# Altium PCB HACK_LINK_V1_new_power.PcbDoc (part 3 of 6) (continued)
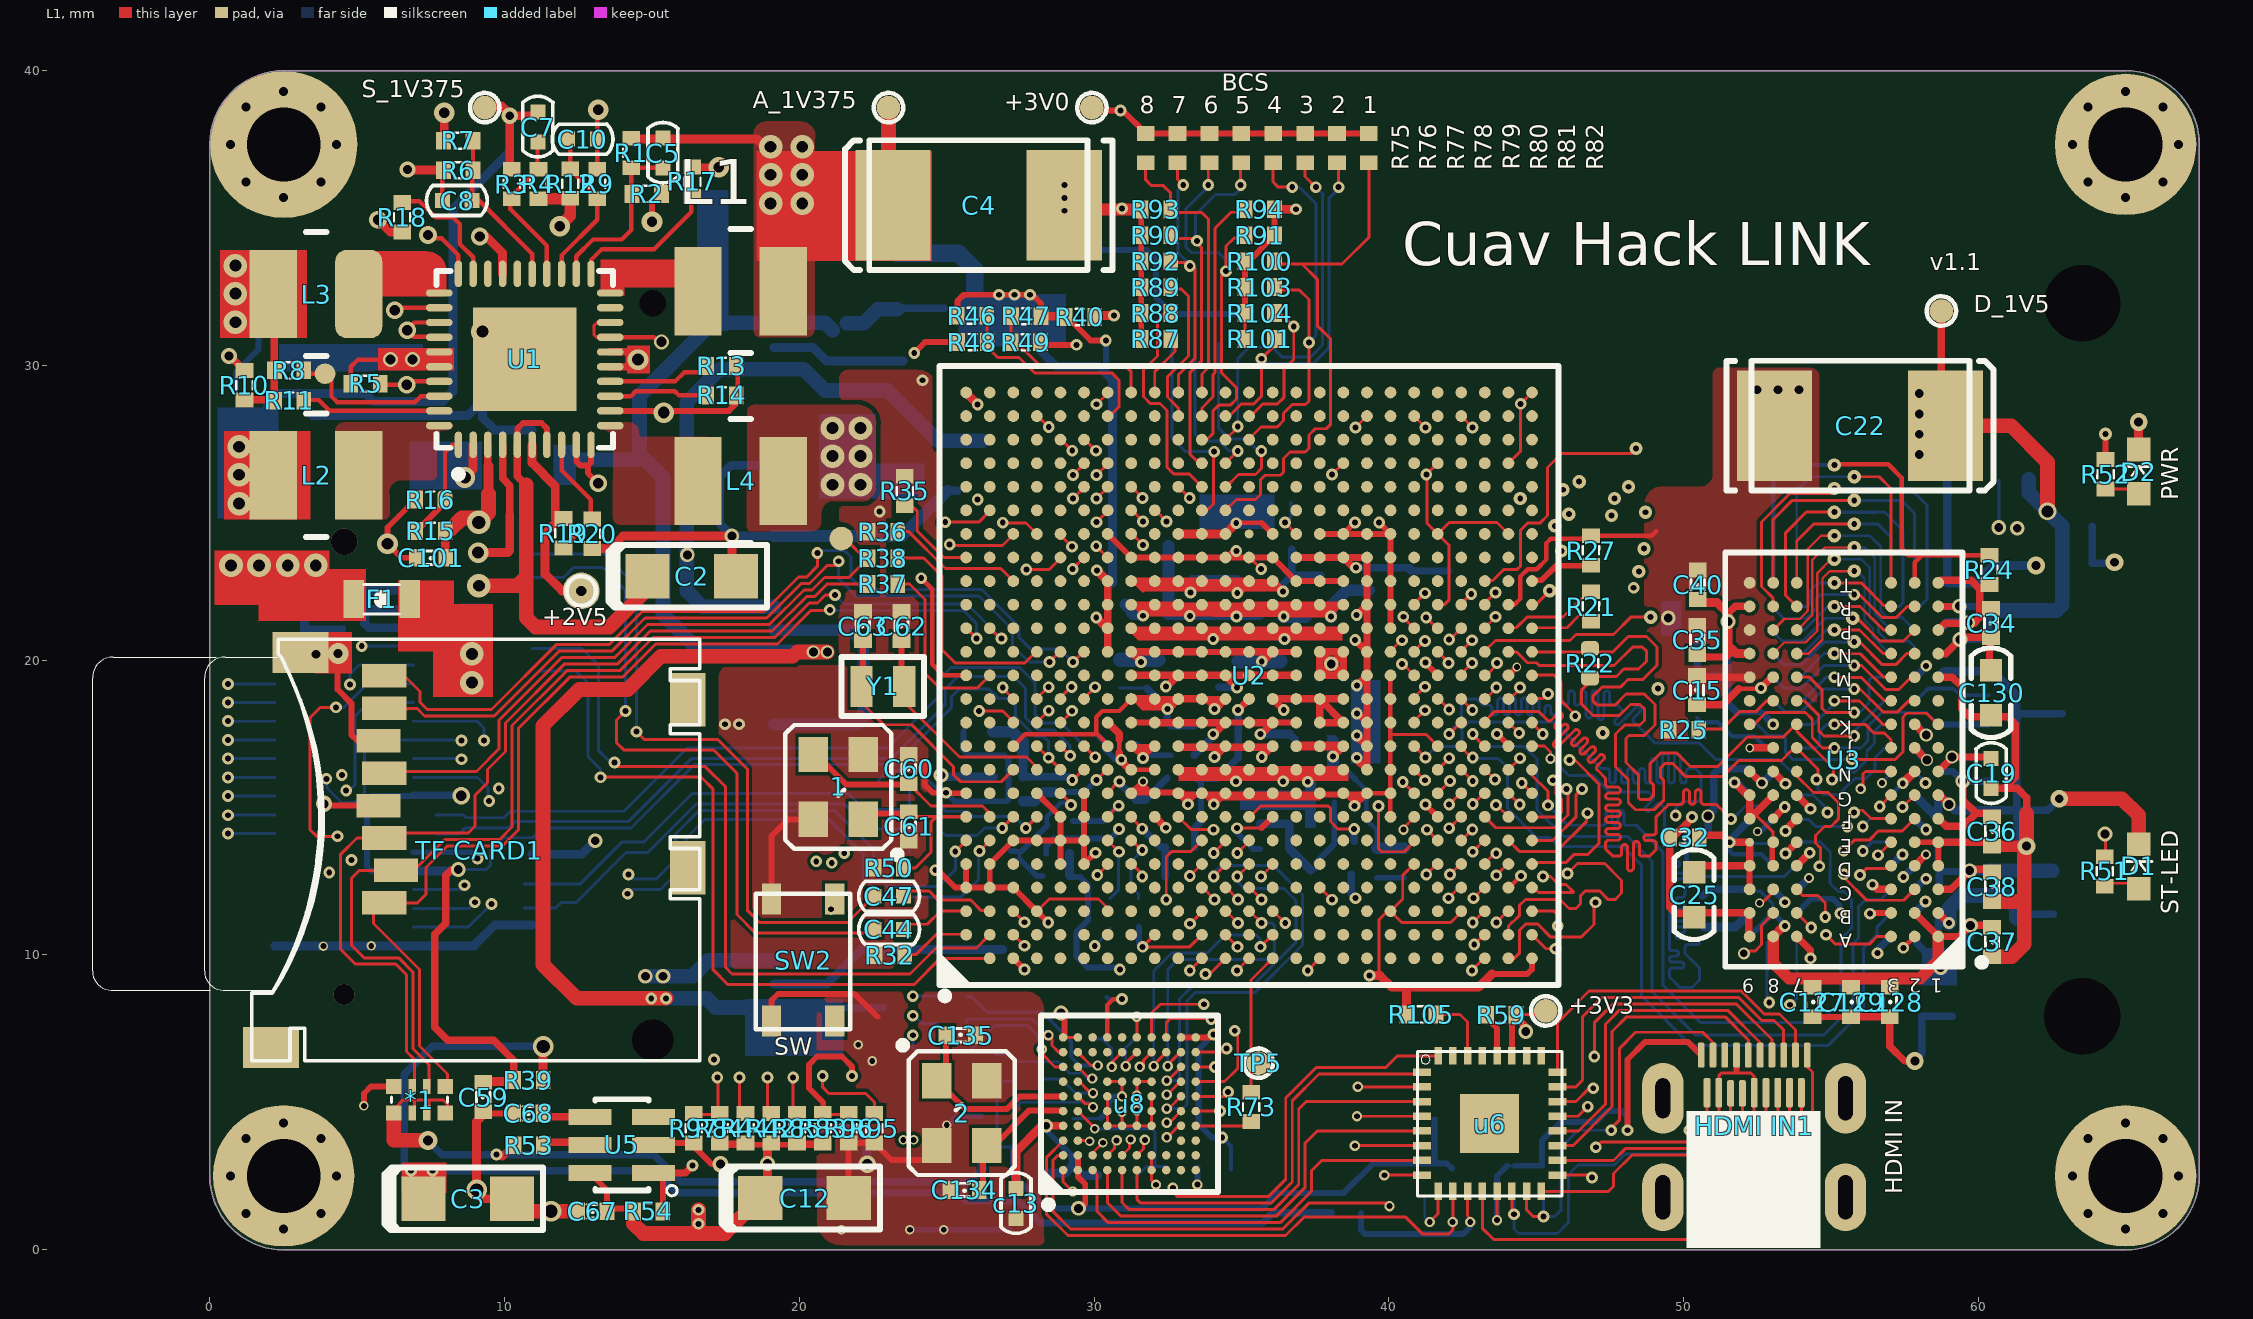
[diagram p0: L1 view]
## Nets (pads, with @x,y where several pads share a name; then routed paths per layer and width w, separated by ;. In a path a pad name is that pad's centre, name@x,y a point inside that pad or via, vN(x,y) a via of type N, cw(c..) or ccw(c..) an arc to the next point about the centre after c; other vN are vias at no path point) (continued)
  L6 w0.1: U4.R2@53.044,21.824 53.044,21.774 53.394,21.424 54.176,21.424 54.519,21.767 54.519,22.099 54.644,22.224 v1@55.744,22.224
DRAM_A8: U2.AB13 U3.T8 U4.T8 | length 37.1
  L1 w0.1: U2.AB13@42.45,19.5 U2.AB13@42.5,19.5 ; U2.AB13@42.475,19.55 v1@42.775,19.85 ; U3.T8@53.044,22.624 53.044,24.774 53.694,25.424 v3@55.744,25.424
  L2 w0.1: v1(42.825,19.9) 43.076,19.9 43.526,20.35 46.201,20.35 46.535,20.684 46.535,25.984 v3(46.46,26.059)
  L3 w0.1: v3(46.46,26.059) 47.06,26.059 47.31,26.309 48.66,26.309 ccw(c48.66,26.486) 48.837,26.486 48.837,26.622 cw(c49.014,26.622) 49.014,26.799 cw(c49.014,26.622) 49.191,26.622 49.191,25.996 ccw(c49.368,25.996) 49.368,25.819 ccw(c49.368,25.996) 49.545,25.996 49.545,26.622 cw(c49.722,26.622) 49.722,26.799 cw(c49.722,26.622) 49.899,26.622 49.899,25.996 ccw(c50.076,25.996) 50.076,25.819 ccw(c50.076,25.996) 50.253,25.996 50.253,26.132 cw(c50.43,26.132) 50.43,26.309 50.56,26.309 50.81,26.059 cw(c50.685,25.934) 50.81,25.808 50.714,25.712 ccw(c50.839,25.587) 50.714,25.462 ccw(c50.839,25.587) 50.964,25.462 51.061,25.558 cw(c51.186,25.433) 51.311,25.558 51.445,25.424 51.799,25.424 ccw(c51.799,25.601) 51.976,25.601 51.976,25.737 cw(c52.153,25.737) 52.153,25.914 cw(c52.153,25.737) 52.33,25.737 52.33,25.111 ccw(c52.507,25.111) 52.507,24.934 ccw(c52.507,25.111) 52.684,25.111 52.684,25.737 cw(c52.861,25.737) 52.861,25.914 cw(c52.861,25.737) 53.038,25.737 53.038,25.601 ccw(c53.215,25.601) 53.215,25.424 53.525,25.424 ccw(c53.525,25.601) 53.702,25.601 53.702,25.742 cw(c53.879,25.742) 53.879,25.919 cw(c53.879,25.742) 54.056,25.742 54.056,25.106 ccw(c54.233,25.106) 54.233,24.929 ccw(c54.233,25.106) 54.41,25.106 54.41,25.284 cw(c54.55,25.284) 54.55,25.424 v3(55.794,25.424)
  L6 w0.1: v3(55.794,25.424) 57.394,25.424 57.844,24.974 U4.T8@57.844,22.624
DRAM_A9: U2.AE12 U3.R3 U4.R3 | length 35.2
  L1 w0.1: U2.AE12@44.85,18.7 45.25,18.7 v1(45.4,18.85) ; v3@55.144,22.624 56.032,22.624 56.807,21.849 57.019,21.849 U3.R3@57.044,21.824
  L2 w0.1: v1(45.4,18.85) 46.701,18.85 47.895,20.044 47.895,23.019 v3(48.66,23.784)
  L3 w0.1: v3(48.66,23.784) 48.935,23.784 ccw(c48.935,23.884) 49.035,23.884 49.035,24.165 cw(c49.135,24.165) 49.135,24.265 cw(c49.135,24.165) 49.235,24.165 49.235,23.403 ccw(c49.335,23.403) 49.335,23.303 ccw(c49.335,23.403) 49.435,23.403 49.435,24.165 cw(c49.535,24.165) 49.535,24.265 cw(c49.535,24.165) 49.635,24.165 49.635,23.403 ccw(c49.735,23.403) 49.735,23.303 ccw(c49.735,23.403) 49.835,23.403 49.835,24.165 cw(c49.935,24.165) 49.935,24.265 cw(c49.935,24.165) 50.035,24.165 50.035,23.403 ccw(c50.135,23.403) 50.135,23.303 ccw(c50.135,23.403) 50.235,23.403 50.235,24.165 cw(c50.335,24.165) 50.335,24.265 cw(c50.335,24.165) 50.435,24.165 50.435,23.403 ccw(c50.535,23.403) 50.535,23.303 ccw(c50.535,23.403) 50.635,23.403 50.635,24.165 cw(c50.735,24.165) 50.735,24.265 cw(c50.735,24.165) 50.835,24.165 50.835,23.403 ccw(c50.935,23.403) 50.935,23.303 ccw(c50.935,23.403) 51.035,23.403 51.035,24.165 cw(c51.135,24.165) 51.135,24.265 cw(c51.135,24.165) 51.235,24.165 51.235,23.403 ccw(c51.335,23.403) 51.335,23.303 ccw(c51.335,23.403) 51.435,23.403 51.435,24.165 cw(c51.535,24.165) 51.535,24.265 cw(c51.535,24.165) 51.635,24.165 51.635,23.403 ccw(c51.735,23.403) 51.735,23.303 ccw(c51.735,23.403) 51.835,23.403 51.835,24.165 cw(c51.935,24.165) 51.935,24.265 cw(c51.935,24.165) 52.035,24.165 52.035,23.403 ccw(c52.135,23.403) 52.135,23.303 ccw(c52.135,23.403) 52.235,23.403 52.235,23.684 cw(c52.335,23.684) 52.335,23.784 53.085,23.784 ccw(c53.085,23.884) 53.185,23.884 53.185,24.184 cw(c53.285,24.184) 53.285,24.284 cw(c53.285,24.184) 53.385,24.184 53.385,23.884 ccw(c53.485,23.884) 53.485,23.784 53.785,23.784 53.926,23.643 ccw(c53.997,23.713) 54.068,23.643 54.28,23.855 cw(c54.351,23.784) 54.421,23.855 cw(c54.351,23.784) 54.421,23.713 53.856,23.148 ccw(c53.926,23.077) 53.856,23.006 ccw(c53.926,23.077) 53.997,23.006 54.209,23.218 cw(c54.28,23.148) 54.351,23.218 54.945,22.624 v3(55.119,22.624)
  L6 w0.1: U4.R3@53.844,21.824 54.219,21.824 54.294,21.899 54.294,22.349 54.569,22.624 v3(55.119,22.624)
DRAM_A10: U2.AA15 U3.L7 U4.L7 | length 37.6
  L1 w0.1: v1@41.344,21.374 U2.AA15@41.644,21.074 ; U3.L7@53.844,18.624 54.094,18.624 54.589,18.129 54.589,17.604 54.769,17.424 v1@55.744,17.424
  L3 w0.1: v1(41.269,21.449) 41.655,21.063 41.655,19.639 41.835,19.459 43.01,19.459 43.235,19.684 43.235,20.134 43.485,20.384 44.05,20.384 44.15,20.384 44.35,20.384 44.35,20.129 44.55,20.129 44.55,20.384 44.75,20.384 44.75,19.307 44.95,19.307 44.95,20.384 45.15,20.384 45.15,19.232 45.35,19.232 45.35,20.384 45.55,20.384 45.55,19.204 45.75,19.204 45.75,20.384 45.95,20.384 45.95,19.216 46.15,19.216 46.15,20.384 46.35,20.384 46.55,20.384 46.688,20.384 46.758,20.313 46.9,20.172 47.041,20.03 47.15,19.922 47.15,19.822 47.15,19.622 46.386,19.622 46.386,19.422 47.15,19.422 47.15,19.222 46.386,19.222 46.386,19.022 47.15,19.022 47.15,18.822 46.749,18.822 46.749,18.622 47.15,18.622 47.15,18.244 47.66,17.734 49.102,17.734 49.412,17.424 v1(55.794,17.424)
  L6 w0.1: v1@55.744,17.424 55.744,17.549 56.819,18.624 U4.L7@57.044,18.624
DRAM_A11: U2.AC12 U3.R7 U4.R7 | length 36.1
  L1 w0.1: U2.AC12@43.25,18.7 43.3,18.7 v1@43.7,19.1 ; U3.R7@53.844,21.824 53.469,22.199 53.469,24.324 54.169,25.024 v3(55.119,25.024)
  L2 w0.1: v1@43.71,19.075 v1(43.65,19.075) 44.025,19.45 46.512,19.45 47.105,20.043 47.105,20.309 cw(c47.205,20.309) 47.205,20.409 47.355,20.409 ccw(c47.355,20.509) 47.455,20.509 ccw(c47.355,20.509) 47.355,20.609 47.205,20.609 cw(c47.205,20.709) 47.105,20.709 cw(c47.205,20.709) 47.205,20.809 47.355,20.809 ccw(c47.355,20.909) 47.455,20.909 ccw(c47.355,20.909) 47.355,21.009 47.205,21.009 cw(c47.205,21.109) 47.105,21.109 cw(c47.205,21.109) 47.205,21.209 47.355,21.209 ccw(c47.355,21.309) 47.455,21.309 ccw(c47.355,21.309) 47.355,21.409 47.205,21.409 cw(c47.205,21.509) 47.105,21.509 cw(c47.205,21.509) 47.205,21.609 47.355,21.609 ccw(c47.355,21.709) 47.455,21.709 ccw(c47.355,21.709) 47.355,21.809 47.205,21.809 cw(c47.205,21.909) 47.105,21.909 cw(c47.205,21.909) 47.205,22.009 47.355,22.009 ccw(c47.355,22.109) 47.455,22.109 ccw(c47.355,22.109) 47.355,22.209 47.205,22.209 cw(c47.205,22.309) 47.105,22.309 cw(c47.205,22.309) 47.205,22.409 47.355,22.409 ccw(c47.355,22.509) 47.455,22.509 ccw(c47.355,22.509) 47.355,22.609 47.205,22.609 cw(c47.205,22.709) 47.105,22.709 cw(c47.205,22.709) 47.205,22.809 47.355,22.809 ccw(c47.355,22.909) 47.455,22.909 ccw(c47.355,22.909) 47.355,23.009 47.205,23.009 cw(c47.205,23.109) 47.105,23.109 cw(c47.205,23.109) 47.205,23.209 47.355,23.209 ccw(c47.355,23.309) 47.455,23.309 ccw(c47.355,23.309) 47.355,23.409 47.205,23.409 cw(c47.205,23.509) 47.105,23.509 cw(c47.205,23.509) 47.205,23.609 47.355,23.609 ccw(c47.355,23.709) 47.455,23.709 ccw(c47.355,23.709) 47.355,23.809 47.205,23.809 cw(c47.205,23.909) 47.105,23.909 cw(c47.205,23.909) 47.205,24.009 47.458,24.009 ccw(c47.458,24.109) 47.558,24.109 ccw(c47.458,24.109) 47.458,24.209 47.205,24.209 cw(c47.205,24.309) 47.105,24.309 cw(c47.205,24.309) 47.205,24.409 47.268,24.409 ccw(c47.268,24.509) 47.368,24.509 ccw(c47.268,24.509) 47.268,24.609 47.205,24.609 cw(c47.205,24.709) 47.105,24.709 47.105,25.504 47.925,26.324 53.47,26.324 54.77,25.024 v3(55.119,25.024)
  L6 w0.1: v3@55.144,25.024 56.819,25.024 57.444,24.399 57.444,21.949 57.319,21.824 U4.R7@57.044,21.824 ; 55.355,25.019 56.51,25.019 ; U4.R7@56.994,21.874 U4.R7@57.044,21.824 ; U4.R7@56.995,21.824 U4.R7@57.044,21.824
DRAM_A12: U2.AD12 U3.N7 U4.N7 | length 35.4
  L1 w0.08: U3.N7@53.844,20.224 54.244,20.224 54.719,20.699 54.719,22.783 54.96,23.024 v3@55.744,23.024
  L1 w0.1: U2.AD12@44.05,18.7 44.125,18.7 v1@44.45,19.025
  L2 w0.1: v1@44.45,19.13 v1(44.45,19.075) 44.925,19.075 45.07,19.22 46.721,19.22 47.675,20.174 47.675,23.874 48.235,24.434 48.735,24.434 48.735,24.54 cw(c48.835,24.54) 48.835,24.64 cw(c48.835,24.54) 48.935,24.54 48.935,24.254 ccw(c49.035,24.254) 49.035,24.154 ccw(c49.035,24.254) 49.135,24.254 49.135,24.699 cw(c49.235,24.699) 49.235,24.799 cw(c49.235,24.699) 49.335,24.699 49.335,24.254 ccw(c49.435,24.254) 49.435,24.154 ccw(c49.435,24.254) 49.535,24.254 49.535,24.699 cw(c49.635,24.699) 49.635,24.799 cw(c49.635,24.699) 49.735,24.699 49.735,24.254 ccw(c49.835,24.254) 49.835,24.154 ccw(c49.835,24.254) 49.935,24.254 49.935,24.699 cw(c50.035,24.699) 50.035,24.799 cw(c50.035,24.699) 50.135,24.699 50.135,24.254 ccw(c50.235,24.254) 50.235,24.154 ccw(c50.235,24.254) 50.335,24.254 50.335,24.699 cw(c50.435,24.699) 50.435,24.799 cw(c50.435,24.699) 50.535,24.699 50.535,24.254 ccw(c50.635,24.254) 50.635,24.154 ccw(c50.635,24.254) 50.735,24.254 50.735,24.699 cw(c50.835,24.699) 50.835,24.799 cw(c50.835,24.699) 50.935,24.699 50.935,24.254 ccw(c51.035,24.254) 51.035,24.154 ccw(c51.035,24.254) 51.135,24.254 51.135,24.699 cw(c51.235,24.699) 51.235,24.799 cw(c51.235,24.699) 51.335,24.699 51.335,24.254 ccw(c51.435,24.254) 51.435,24.154 ccw(c51.435,24.254) 51.535,24.254 51.535,24.699 cw(c51.635,24.699) 51.635,24.799 cw(c51.635,24.699) 51.735,24.699 51.735,24.254 ccw(c51.835,24.254) 51.835,24.154 ccw(c51.835,24.254) 51.935,24.254 51.935,24.699 cw(c52.035,24.699) 52.035,24.799 cw(c52.035,24.699) 52.135,24.699 52.135,24.254 ccw(c52.235,24.254) 52.235,24.154 ccw(c52.235,24.254) 52.335,24.254 52.335,24.699 cw(c52.435,24.699) 52.435,24.799 cw(c52.435,24.699) 52.535,24.699 52.535,24.254 ccw(c52.635,24.254) 52.635,24.154 ccw(c52.635,24.254) 52.735,24.254 52.735,24.334 cw(c52.835,24.334) 52.835,24.434 53.385,24.434 54.795,23.024 v3(55.794,23.024)
  L6 w0.08: v3(55.794,23.024) 55.894,23.024 56.144,22.774 56.144,21.366 56.419,21.091 56.419,20.799 U4.N7@56.994,20.224
  L6 w0.1: U4.N7@56.994,20.224 U4.N7@57.044,20.224
DRAM_A13: U2.AC17 U3.T3 U4.T3 | length 35.9
  L1 w0.1: U2.AC17@43.25,22.7 43.527,22.7 43.897,23.07 44.345,23.07 44.475,23.2 44.475,24.416 44.709,24.65 45.125,24.65 45.385,24.91 45.385,26.534 45.86,27.009 v3@48.26,27.009 ; v3(55.794,26.224) 56.644,26.224 57.044,25.824 U3.T3@57.044,22.624
  L2 w0.1: v3@48.385,27.134 48.66,27.409 48.86,27.409 cw(c48.86,27.309) 48.96,27.309 48.96,27.112 ccw(c49.06,27.112) 49.06,27.012 ccw(c49.06,27.112) 49.16,27.112 49.16,27.557 cw(c49.26,27.557) 49.26,27.657 cw(c49.26,27.557) 49.36,27.557 49.36,27.112 ccw(c49.46,27.112) 49.46,27.012 ccw(c49.46,27.112) 49.56,27.112 49.56,27.557 cw(c49.66,27.557) 49.66,27.657 cw(c49.66,27.557) 49.76,27.557 49.76,27.112 ccw(c49.86,27.112) 49.86,27.012 ccw(c49.86,27.112) 49.96,27.112 49.96,27.557 cw(c50.06,27.557) 50.06,27.657 cw(c50.06,27.557) 50.16,27.557 50.16,27.112 ccw(c50.26,27.112) 50.26,27.012 ccw(c50.26,27.112) 50.36,27.112 50.36,27.557 cw(c50.46,27.557) 50.46,27.657 cw(c50.46,27.557) 50.56,27.557 50.56,27.112 ccw(c50.66,27.112) 50.66,27.012 ccw(c50.66,27.112) 50.76,27.112 50.76,27.557 cw(c50.86,27.557) 50.86,27.657 cw(c50.86,27.557) 50.96,27.557 50.96,27.112 ccw(c51.06,27.112) 51.06,27.012 ccw(c51.06,27.112) 51.16,27.112 51.16,27.557 cw(c51.26,27.557) 51.26,27.657 cw(c51.26,27.557) 51.36,27.557 51.36,27.112 ccw(c51.46,27.112) 51.46,27.012 ccw(c51.46,27.112) 51.56,27.112 51.56,27.557 cw(c51.66,27.557) 51.66,27.657 cw(c51.66,27.557) 51.76,27.557 51.76,27.112 ccw(c51.86,27.112) 51.86,27.012 ccw(c51.86,27.112) 51.96,27.112 51.96,27.557 cw(c52.06,27.557) 52.06,27.657 cw(c52.06,27.557) 52.16,27.557 52.16,27.112 ccw(c52.26,27.112) 52.26,27.012 ccw(c52.26,27.112) 52.36,27.112 52.36,27.309 cw(c52.46,27.309) 52.46,27.409 53.485,27.409 54.67,26.224 v3(55.794,26.224)
  L6 w0.1: U4.T3@53.844,22.624 53.844,25.749 54.319,26.224 v3@55.744,26.224
  other v3: 48.385,27.184
DRAM_A14: U2.AA12 U3.T7 U4.T7 | length 32.9
  L1 w0.1: U2.AA12@41.7,18.675 v1@42,18.375 ; U3.T7@53.844,22.624 53.844,24.049 54.419,24.624 v3@55.744,24.624
  L2 w0.1: v1@42.12,18.255 v1(42.05,18.325) 41.655,17.93 40.264,17.93 39.825,18.369 39.825,23.604 41.685,25.464 43.501,25.464 44.146,26.109 45.585,26.109 v3(45.91,25.784) ; v3(48.135,25.884) 48.355,26.104 53.379,26.104 54.854,24.629 55.789,24.629 v3(55.794,24.624)
  L3 w0.1: v3(45.91,25.784) 46.03,25.664 46.976,25.664 47.196,25.884 v3(48.135,25.884)
  L6 w0.1: v3(55.794,24.624) 56.594,24.624 57.044,24.174 U4.T7@57.044,22.624
DRAM_A15: U2.Y12 U3.M7 U4.M7 | length 36.9
  L1 w0.1: U2.Y12@40.875,18.75 v1@41.175,19.05 ; U3.M7@53.844,19.424 54.269,19.424 54.694,18.999 54.694,18.374 54.844,18.224 v1@55.744,18.224
  L2 w0.1: v1@41.225,19.025 v1(41.225,19.1) v1@41.35,19.1 ; v3@47.285,17.434 47.637,17.434 48.173,17.97 48.82,17.97 49.149,18.299 49.349,18.299 cw(c49.349,18.199) 49.449,18.199 49.449,18.071 ccw(c49.549,18.071) 49.549,17.971 ccw(c49.549,18.071) 49.649,18.071 49.649,18.698 cw(c49.749,18.698) 49.749,18.798 cw(c49.749,18.698) 49.849,18.698 49.849,18.071 ccw(c49.949,18.071) 49.949,17.971 ccw(c49.949,18.071) 50.049,18.071 50.049,18.698 cw(c50.149,18.698) 50.149,18.798 cw(c50.149,18.698) 50.249,18.698 50.249,18.071 ccw(c50.349,18.071) 50.349,17.971 ccw(c50.349,18.071) 50.449,18.071 50.449,18.698 cw(c50.549,18.698) 50.549,18.798 cw(c50.549,18.698) 50.649,18.698 50.649,18.071 ccw(c50.749,18.071) 50.749,17.971 ccw(c50.749,18.071) 50.849,18.071 50.849,18.698 cw(c50.949,18.698) 50.949,18.798 cw(c50.949,18.698) 51.049,18.698 51.049,18.071 ccw(c51.149,18.071) 51.149,17.971 ccw(c51.149,18.071) 51.249,18.071 51.249,18.698 cw(c51.349,18.698) 51.349,18.798 cw(c51.349,18.698) 51.449,18.698 51.449,18.071 ccw(c51.549,18.071) 51.549,17.971 ccw(c51.549,18.071) 51.649,18.071 51.649,18.698 cw(c51.749,18.698) 51.749,18.798 cw(c51.749,18.698) 51.849,18.698 51.849,18.071 ccw(c51.949,18.071) 51.949,17.971 ccw(c51.949,18.071) 52.049,18.071 52.049,18.698 cw(c52.149,18.698) 52.149,18.798 cw(c52.149,18.698) 52.249,18.698 52.249,18.121 ccw(c52.349,18.121) 52.349,18.021 ccw(c52.349,18.121) 52.449,18.121 52.449,18.199 cw(c52.549,18.199) 52.549,18.299 52.675,18.299 53.41,19.034 ccw(c53.41,19.134) 53.51,19.134 53.51,19.138 cw(c53.61,19.138) 53.61,19.238 cw(c53.61,19.138) 53.71,19.138 53.71,18.635 ccw(c53.81,18.635) 53.81,18.535 ccw(c53.81,18.635) 53.91,18.635 53.91,19.138 cw(c54.01,19.138) 54.01,19.238 cw(c54.01,19.138) 54.11,19.138 54.11,19.134 ccw(c54.21,19.134) 54.21,19.034 55.232,19.034 55.514,18.752 55.514,18.745 55.794,18.465 v1(55.794,18.224)
  L3 w0.1: v1(41.225,19.1) 42.962,19.1 43.582,18.48 43.85,18.48 ccw(c43.85,18.58) 43.95,18.58 43.95,18.828 cw(c44.05,18.828) 44.05,18.928 cw(c44.05,18.828) 44.15,18.828 44.15,18.58 ccw(c44.25,18.58) 44.25,18.48 ccw(c44.25,18.58) 44.35,18.58 44.35,18.605 cw(c44.45,18.605) 44.45,18.705 cw(c44.45,18.605) 44.55,18.605 44.55,18.58 ccw(c44.65,18.58) 44.65,18.48 ccw(c44.65,18.58) 44.75,18.58 44.75,18.828 cw(c44.85,18.828) 44.85,18.928 cw(c44.85,18.828) 44.95,18.828 44.95,18.58 ccw(c45.05,18.58) 45.05,18.48 45.85,18.48 ccw(c45.85,18.58) 45.95,18.58 45.95,18.88 cw(c46.05,18.88) 46.05,18.98 cw(c46.05,18.88) 46.15,18.88 46.15,18.58 ccw(c46.25,18.58) 46.25,18.48 46.564,18.48 47.06,17.984 47.06,17.734 v3(47.26,17.534)
  L6 w0.1: v1(55.794,18.224) 55.969,18.224 56.294,18.549 56.294,19.324 56.394,19.424 U4.M7@57.044,19.424
DRAM_CAS_B: U2.AE16 U3.K3 U4.K3 | length 32.3
  L1 w0.1: U2.AE16@44.85,21.9 45.001,21.9 v3(45.46,22.359) ; v1@55.144,18.624 55.149,18.619 55.974,18.619 56.769,17.824 U3.K3@57.044,17.824
  L3 w0.1: v3(45.46,22.359) 45.385,22.434 44.96,22.434 44.76,22.234 44.335,22.234 44.235,22.134 44.235,22.034 44.31,21.959 44.635,21.959 44.735,21.859 44.735,21.584 44.89,21.429 45.06,21.429 45.16,21.529 45.16,21.909 45.235,21.984 45.435,21.984 45.435,21.484 45.49,21.429 45.78,21.429 45.835,21.484 45.835,21.984 46.035,21.984 cw(c46.035,21.884) 46.135,21.884 46.135,21.584 ccw(c46.235,21.584) 46.235,21.484 ccw(c46.235,21.584) 46.335,21.584 46.335,22.207 cw(c46.435,22.207) 46.435,22.307 cw(c46.435,22.207) 46.535,22.207 46.535,22.084 ccw(c46.635,22.084) 46.635,21.984 46.799,21.984 46.94,21.843 cw(c46.87,21.772) 46.94,21.701 46.838,21.599 ccw(c46.909,21.528) 46.838,21.457 ccw(c46.909,21.528) 46.979,21.457 47.082,21.56 cw(c47.152,21.489) 47.223,21.56 cw(c47.152,21.489) 47.223,21.418 47.176,21.371 ccw(c47.246,21.3) 47.176,21.229 ccw(c47.246,21.3) 47.317,21.229 47.365,21.277 cw(c47.435,21.206) 47.506,21.277 cw(c47.435,21.206) 47.506,21.135 47.459,21.088 ccw(c47.529,21.017) 47.459,20.947 ccw(c47.529,21.017) 47.6,20.947 47.647,20.994 cw(c47.718,20.923) 47.789,20.994 cw(c47.718,20.923) 47.789,20.853 47.741,20.805 ccw(c47.812,20.734) 47.741,20.664 ccw(c47.812,20.734) 47.883,20.664 47.93,20.711 cw(c48.001,20.641) 48.072,20.711 cw(c48.001,20.641) 48.072,20.57 48.024,20.522 ccw(c48.095,20.452) 48.024,20.381 ccw(c48.095,20.452) 48.166,20.381 48.213,20.428 cw(c48.284,20.358) 48.355,20.428 cw(c48.284,20.358) 48.355,20.287 48.307,20.239 ccw(c48.378,20.169) 48.307,20.098 ccw(c48.378,20.169) 48.448,20.098 48.496,20.146 cw(c48.567,20.075) 48.637,20.146 cw(c48.567,20.075) 48.637,20.004 48.584,19.951 ccw(c48.655,19.88) 48.584,19.81 ccw(c48.655,19.88) 48.726,19.81 48.779,19.863 cw(c48.849,19.792) 48.92,19.863 cw(c48.849,19.792) 48.92,19.721 48.708,19.509 ccw(c48.779,19.438) 48.708,19.368 ccw(c48.779,19.438) 48.849,19.368 49.062,19.58 cw(c49.132,19.509) 49.203,19.58 49.624,19.159 50.024,19.159 cw(c50.024,19.059) 50.124,19.059 50.124,18.759 ccw(c50.224,18.759) 50.224,18.659 ccw(c50.224,18.759) 50.324,18.759 50.324,19.059 cw(c50.424,19.059) 50.424,19.159 cw(c50.424,19.059) 50.524,19.059 50.524,18.759 ccw(c50.624,18.759) 50.624,18.659 ccw(c50.624,18.759) 50.724,18.759 50.724,19.059 cw(c50.824,19.059) 50.824,19.159 cw(c50.824,19.059) 50.924,19.059 50.924,18.759 ccw(c51.024,18.759) 51.024,18.659 ccw(c51.024,18.759) 51.124,18.759 51.124,19.059 cw(c51.224,19.059) 51.224,19.159 cw(c51.224,19.059) 51.324,19.059 51.324,18.759 ccw(c51.424,18.759) 51.424,18.659 ccw(c51.424,18.759) 51.524,18.759 51.524,19.059 cw(c51.624,19.059) 51.624,19.159 cw(c51.624,19.059) 51.724,19.059 51.724,18.759 ccw(c51.824,18.759) 51.824,18.659 ccw(c51.824,18.759) 51.924,18.759 51.924,19.059 cw(c52.024,19.059) 52.024,19.159 cw(c52.024,19.059) 52.124,19.059 52.124,18.759 ; 52.124,18.784 ccw(c52.224,18.784) 52.224,18.684 53.024,18.684 ccw(c53.024,18.784) 53.124,18.784 ; 53.124,18.759 53.124,19.059 cw(c53.224,19.059) 53.224,19.159 cw(c53.224,19.059) 53.324,19.059 53.324,18.759 ccw(c53.424,18.759) 53.424,18.659 ccw(c53.424,18.759) 53.524,18.759 53.524,19.27 cw(c53.624,19.27) 53.624,19.37 cw(c53.624,19.27) 53.724,19.27 53.724,19.259 ccw(c53.824,19.259) 53.824,19.159 54.06,19.159 54.201,19.018 cw(c54.131,18.947) 54.201,18.876 53.989,18.664 ccw(c54.06,18.593) 53.989,18.523 ccw(c54.06,18.593) 54.131,18.523 54.343,18.735 cw(c54.414,18.664) 54.484,18.735 54.595,18.624 v1(55.119,18.624)
  L6 w0.1: U4.K3@53.844,17.824 54.419,17.824 55.144,18.549 v1@55.144,18.624
DRAM_CLK0_N: R21.1 U2.AE15 | length 2.4
  L1 w0.1: U2.AE15@44.85,21.1 46.045,21.1 46.458,21.514 46.806,21.514 R21.1@46.806,21.215
DRAM_CLK0_P: R21.2 U2.AD15 | length 3.2
  L1 w0.1: U2.AD15@44.05,21.1 44.327,21.1 44.697,21.47 45.914,21.47 46.659,22.215 R21.2@46.806,22.215
DRAM_CLK1_N: R22.1 U2.AE14 U3.K7 U4.K7 | length 27.9
  L1 w0.1: U2.AE14@44.86,20.284 47.609,20.284 48.129,20.804 48.747,20.804 49.104,20.447 49.104,19.828 48.622,19.346 48.121,19.346 47.871,19.096 47.248,19.096 46.925,18.773 46.925,18.625 47.075,18.475 47.675,18.475 48.054,18.854 48.672,18.854 49.029,18.497 49.029,17.803 48.672,17.446 48.15,17.446 48.05,17.346 48.05,16.525 48.479,16.096 48.479,15.321 48.521,15.279 48.858,15.279 48.977,15.398 48.977,15.773 48.871,15.879 48.871,16.497 49.228,16.854 49.772,16.854 50.226,16.4 51.172,16.4 52.166,17.394 53.389,17.394 53.869,17.874 53.844,17.588 55.094,16.338 v1@55.094,15.849
  L6 w0.1: v1@55.081,15.862 55.419,16.199 55.8,16.199 56.219,16.618 56.219,16.913 56.482,17.176 56.482,17.587 56.719,17.824 U4.K7@57.044,17.824
  other v1: 55.044,15.949
DRAM_CLK1_P: R22.2 U2.AD14 U3.J7 U4.J7 | length 28.3
  L1 w0.1: U2.AD14@44.06,20.284 44.337,20.284 44.707,19.914 45.013,19.914 45.106,19.821 47.647,19.821 48.275,20.45 48.6,20.45 48.75,20.3 48.75,19.975 48.475,19.7 47.974,19.7 47.724,19.45 46.999,19.45 46.546,18.997 46.546,18.503 46.928,18.121 47.822,18.121 48.201,18.5 48.525,18.5 48.675,18.35 48.675,17.95 48.525,17.8 48.003,17.8 47.696,17.493 47.696,16.378 48.125,15.949 48.125,15.174 48.374,14.925 49.005,14.925 49.331,15.251 49.331,15.92 49.225,16.025 49.225,16.35 49.375,16.5 49.625,16.5 50.079,16.046 51.319,16.046 51.873,16.6 53.325,16.6 53.643,16.918 U3.J7@53.95,16.918 ; U3.J7@53.844,17.024 54.565,16.303 v1@54.565,15.824
  L6 w0.1: v1@54.565,15.824 54.565,15.628 54.759,15.434 55.26,15.434 55.805,15.979 56.174,15.979 56.494,16.299 56.494,16.687 56.831,17.024 U4.J7@57.044,17.024
  other v1: 54.515,15.949
DRAM_CS0_B: U2.Y16 U3.L2 U4.L2 | length 37.1
  L1 w0.1: U2.Y16@40.85,21.9 v1@41.15,22.2 ; v1(55.794,19.024) 55.994,19.024 56.769,18.249 57.269,18.249 57.644,18.624 U3.L2@57.844,18.624
  L2 w0.1: v3@49.16,18.959 49.71,19.509 49.885,19.509 cw(c49.885,19.409) 49.985,19.409 49.985,19.124 ccw(c50.085,19.124) 50.085,19.024 ccw(c50.085,19.124) 50.185,19.124 50.185,19.894 cw(c50.285,19.894) 50.285,19.994 cw(c50.285,19.894) 50.385,19.894 50.385,19.124 ccw(c50.485,19.124) 50.485,19.024 ccw(c50.485,19.124) 50.585,19.124 50.585,19.894 cw(c50.685,19.894) 50.685,19.994 cw(c50.685,19.894) 50.785,19.894 50.785,19.124 ccw(c50.885,19.124) 50.885,19.024 ccw(c50.885,19.124) 50.985,19.124 50.985,19.894 cw(c51.085,19.894) 51.085,19.994 cw(c51.085,19.894) 51.185,19.894 51.185,19.124 ccw(c51.285,19.124) 51.285,19.024 ccw(c51.285,19.124) 51.385,19.124 51.385,19.894 cw(c51.485,19.894) 51.485,19.994 cw(c51.485,19.894) 51.585,19.894 51.585,19.124 ccw(c51.685,19.124) 51.685,19.024 ccw(c51.685,19.124) 51.785,19.124 51.785,19.894 cw(c51.885,19.894) 51.885,19.994 cw(c51.885,19.894) 51.985,19.894 51.985,19.124 ccw(c52.085,19.124) 52.085,19.024 ccw(c52.085,19.124) 52.185,19.124 52.185,19.89 52.616,19.459 54.371,19.459 54.731,19.819 55.25,19.819 55.794,19.275 v1(55.794,19.024)
  L3 w0.1: v1(41.225,22.275) 41.225,22.025 42.05,21.2 42.858,21.2 43.234,20.824 44.575,20.824 ccw(c44.575,20.924) 44.675,20.924 44.675,21.083 cw(c44.775,21.083) 44.775,21.183 cw(c44.775,21.083) 44.875,21.083 44.875,20.924 ccw(c44.975,20.924) 44.975,20.824 ccw(c44.975,20.924) 45.075,20.924 45.075,21.083 cw(c45.175,21.083) 45.175,21.183 cw(c45.175,21.083) 45.275,21.083 45.275,20.924 ccw(c45.375,20.924) 45.375,20.824 ccw(c45.375,20.924) 45.475,20.924 45.475,21.062 cw(c45.575,21.062) 45.575,21.162 cw(c45.575,21.062) 45.675,21.062 45.675,20.924 ccw(c45.775,20.924) 45.775,20.824 46.87,20.824 47.011,20.683 ccw(c47.082,20.753) 47.153,20.683 47.182,20.712 cw(c47.253,20.641) 47.324,20.712 cw(c47.253,20.641) 47.324,20.571 47.294,20.541 ccw(c47.365,20.47) 47.294,20.4 47.59,20.104 47.59,18.426 47.842,18.174 48.75,18.174 48.985,18.409 48.985,18.784 v3@49.16,18.959
  L6 w0.1: U4.L2@53.044,18.624 53.069,18.624 53.439,18.254 53.997,18.254 54.762,19.019 55.739,19.019 v1@55.744,19.024
  other v3: 49.135,19.034
DRAM_D0: U2.AD2 U3.D7 | length 18.4
  L1 w0.1: U2.AD2@44.06,10.684 44.06,10.984 44.19,11.114 44.213,11.114 44.43,11.331 44.43,11.679 44.635,11.884 45.81,11.884 46.119,11.575 46.35,11.575 46.5,11.725 46.5,12 46.675,12.175 47.15,12.175 47.45,11.875 47.675,11.875 47.9,12.1 47.9,12.525 47.325,13.1 46.401,13.1 v1(46.06,12.759)
  L1 w0.25: U3.D7@53.844,13.024 v1(54.285,13.465)
  L2 w0.1: v1@46.06,12.784 46.235,12.609 ccw(c46.235,12.709) 46.335,12.709 46.335,12.834 cw(c46.435,12.834) 46.435,12.934 cw(c46.435,12.834) 46.535,12.834 46.535,12.709 ccw(c46.635,12.709) 46.635,12.609 ccw(c46.635,12.709) 46.735,12.709 46.735,12.834 cw(c46.835,12.834) 46.835,12.934 cw(c46.835,12.834) 46.935,12.834 46.935,12.709 ccw(c47.035,12.709) 47.035,12.609 53.591,12.609 54.285,13.303 v1(54.285,13.465)
DRAM_D1: U2.AE2 U3.A3 | length 18.8
  L1 w0.1: U2.AE2@44.86,10.684 45.335,10.209 v1(45.66,10.209) ; v1(54.835,10.684) 55.144,10.375 56.321,10.375 56.57,10.624 U3.A3@57.044,10.624
  L2 w0.1: v1@45.66,10.25 45.996,9.914 47.825,9.914 ccw(c47.825,10.014) 47.925,10.014 47.925,10.256 cw(c48.025,10.256) 48.025,10.356 cw(c48.025,10.256) 48.125,10.256 48.125,9.914 48.125,9.773 ccw(c48.225,9.773) 48.225,9.673 ccw(c48.225,9.773) 48.325,9.773 48.325,9.914 48.325,10.256 cw(c48.425,10.256) 48.425,10.356 cw(c48.425,10.256) 48.525,10.256 48.525,9.914 48.525,9.773 ccw(c48.625,9.773) 48.625,9.673 ccw(c48.625,9.773) 48.725,9.773 48.725,9.914 48.725,10.256 cw(c48.825,10.256) 48.825,10.356 cw(c48.825,10.256) 48.925,10.256 48.925,9.914 48.925,9.773 ccw(c49.025,9.773) 49.025,9.673 ccw(c49.025,9.773) 49.125,9.773 49.125,9.914 49.125,10.256 cw(c49.225,10.256) 49.225,10.356 cw(c49.225,10.256) 49.325,10.256 49.325,9.914 49.325,9.773 ccw(c49.425,9.773) 49.425,9.673 ccw(c49.425,9.773) 49.525,9.773 49.525,9.914 49.525,10.256 cw(c49.625,10.256) 49.625,10.356 cw(c49.625,10.256) 49.725,10.256 49.725,10.014 ccw(c49.825,10.014) 49.825,9.914 50.975,9.914 51.386,9.914 51.625,9.675 53.225,9.675 54.109,10.559 54.71,10.559 v1(54.835,10.684)
DRAM_D2: U2.AC4 U3.C3 | length 18.3
  L1 w0.1: v1(42.875,11.925) U2.AC4@43.25,12.3
  L1 w0.25: v1@56.484,12.384 v1(56.41,12.384) 56.57,12.224 U3.C3@57.044,12.224 U3.C3@57.044,12.268
  L2 w0.1: v1(42.875,11.925) 44.45,11.925 44.55,11.925 cw(c44.55,11.825) 44.65,11.825 44.65,11.594 ccw(c44.75,11.594) 44.75,11.494 ccw(c44.75,11.594) 44.85,11.594 44.85,11.825 cw(c44.95,11.825) 44.95,11.925 cw(c44.95,11.825) 45.05,11.825 45.05,11.594 ccw(c45.15,11.594) 45.15,11.494 ccw(c45.15,11.594) 45.25,11.594 45.25,11.825 cw(c45.35,11.825) 45.35,11.925 45.45,11.925 45.575,11.925 45.646,11.854 45.716,11.784 ccw(c45.787,11.854) 45.858,11.784 45.945,11.871 cw(c46.016,11.8) 46.087,11.871 cw(c46.016,11.8) 46.087,11.73 45.999,11.642 ccw(c46.07,11.571) 45.999,11.501 ccw(c46.07,11.571) 46.141,11.501 46.304,11.664 cw(c46.375,11.593) 46.446,11.664 cw(c46.375,11.593) 46.446,11.523 46.282,11.359 ccw(c46.353,11.289) 46.282,11.218 46.312,11.188 46.45,11.05 52.147,11.05 52.507,11.41 53.761,11.41 54.009,11.658 54.809,11.658 55.29,12.139 56.038,12.139 56.283,12.384 v1(56.41,12.384)